# Altium PCB UWB-Tag_Pcb.PcbDoc (continued)
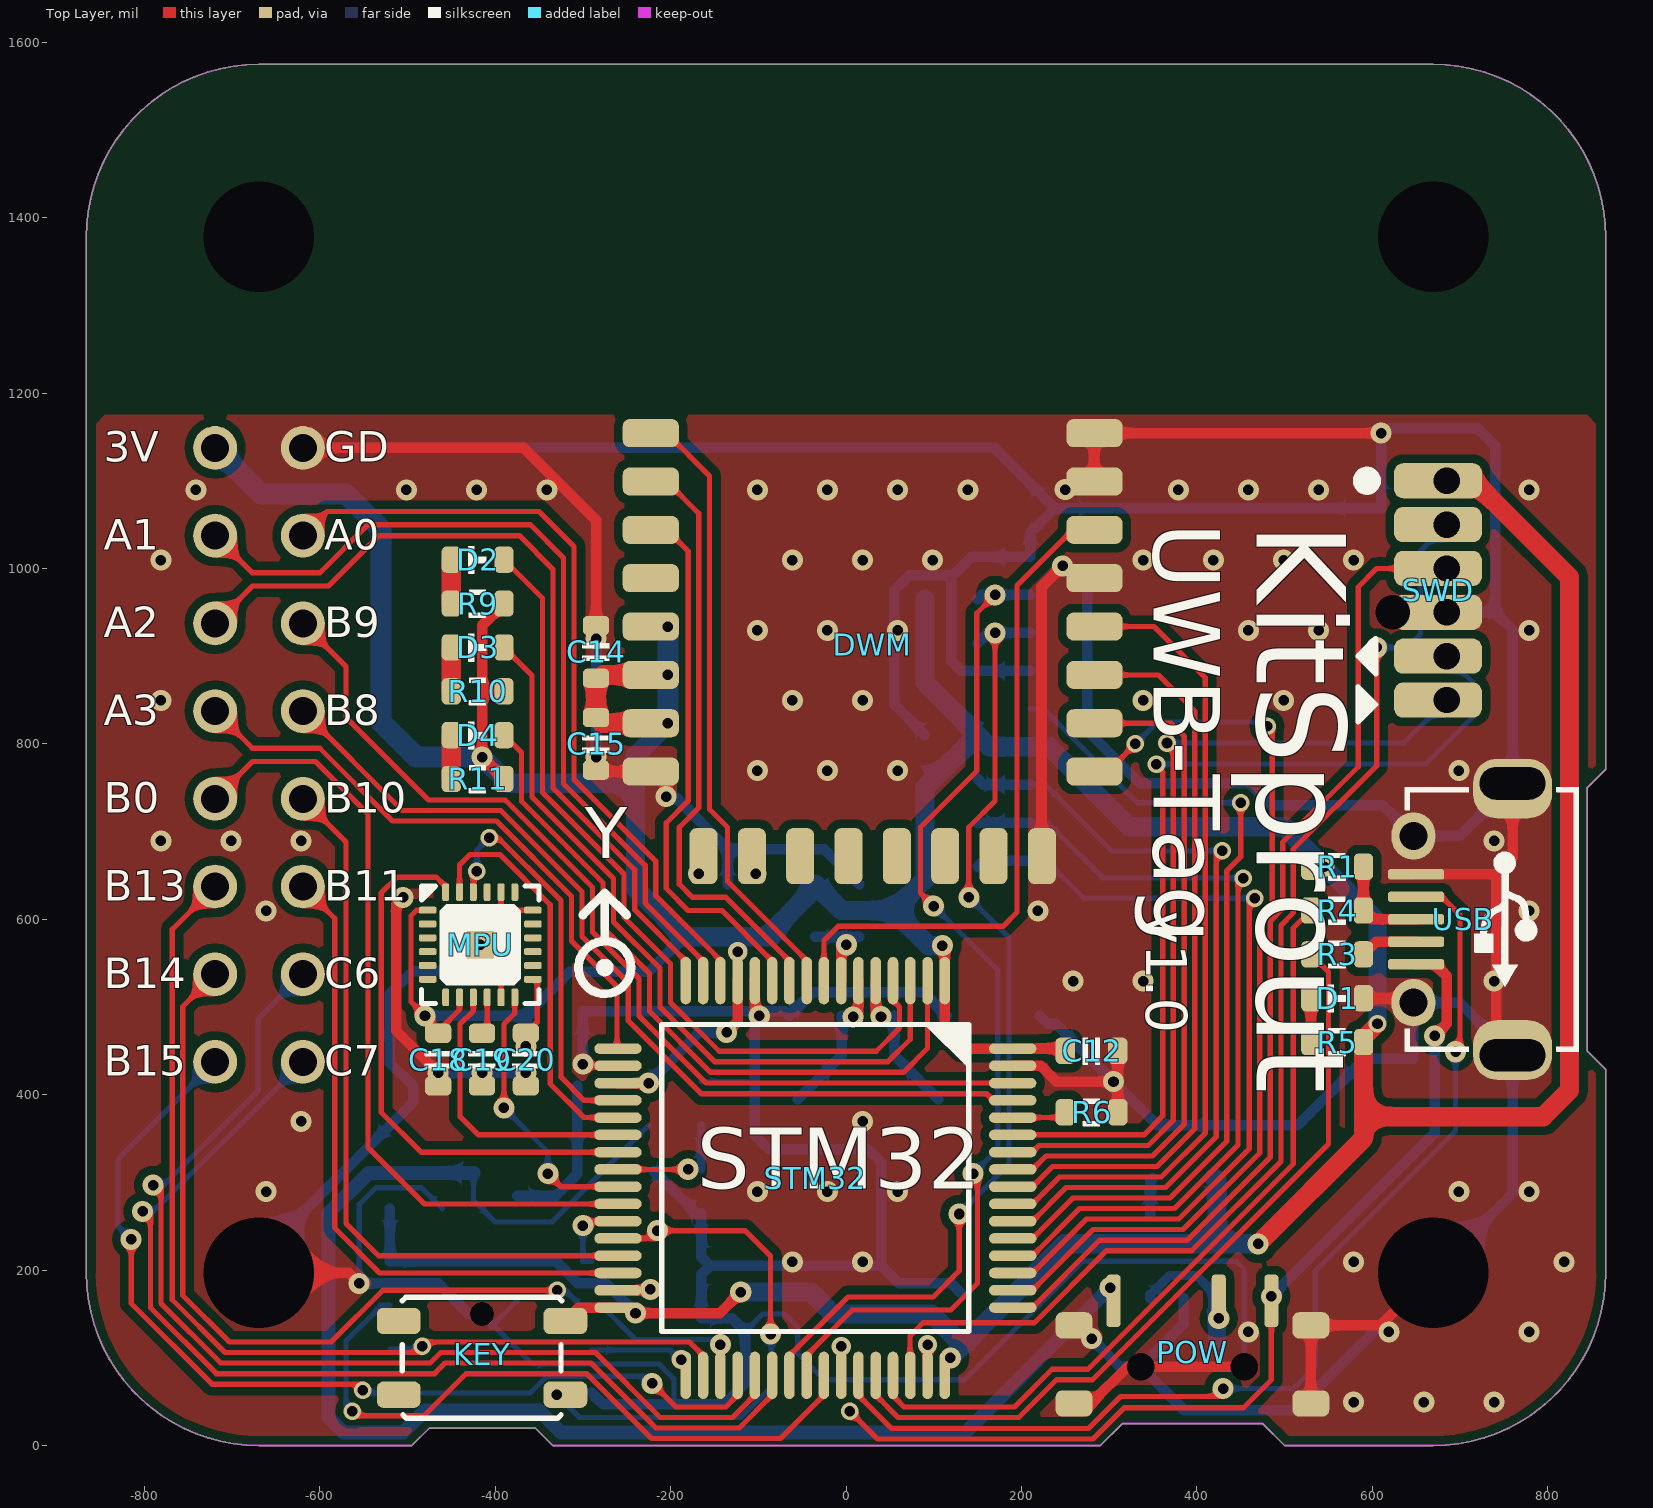
[diagram p0: Top Layer view]
## Footprints (in the part's own frame and the unit in brackets; to place one, negate y for a bottom-side part, rotate by r counter-clockwise, add the part's x,y. Pads: shape width x height; smd on the part's side, far side on the other; paste and mask are expansions set on the pad) (continued)
  oval 12x54 smd: 17(-147.64,-225) 18(-127.95,-225) 19(-108.27,-225) 20(-88.58,-225) 21(-68.9,-225) 22(-49.21,-225) 23(-29.53,-225) 24(-9.84,-225) 25(9.84,-225) 26(29.53,-225) 27(49.21,-225) 28(68.9,-225) 29(88.58,-225) 30(108.27,-225) 31(127.95,-225) 32(147.64,-225) 49(147.64,225) 50(127.95,225) 51(108.27,225) 52(88.58,225) 53(68.9,225) 54(49.21,225) 55(29.53,225) 56(9.84,225) 57(-9.84,225) 58(-29.53,225) 59(-49.21,225) 60(-68.9,225) 61(-88.58,225) 62(-108.27,225) 63(-127.95,225) 64(-147.64,225)
  silkscreen extent -175,-175 175,175, body extent -236,-236 236,236, height 59
MX1.25_S90_2P [mil]
  rrect50% 82x118 smd: 0(-93.58,0) 0(93.58,0)
  rrect50% 28x62 smd: 1(-24.61,114) 2(24.61,114)
  silkscreen extent -94,-95 94,100, body extent -147,-129 147,135, height 98
QFN_P0.4_24 [mil]
  rrect50% 20x8 smd: 1(-60,39.37) 2(-60,23.62) 3(-60,7.87) 4(-60,-7.87) 5(-60,-23.62) 6(-60,-39.37) 13(60,-39.37) 14(60,-23.62) 15(60,-7.87) 16(60,7.87) 17(60,23.62) 18(60,39.37)
  rrect50% 8x20 smd: 7(-39.37,-60) 8(-23.62,-60) 9(-7.87,-60) 10(7.87,-60) 11(23.62,-60) 12(39.37,-60) 19(39.37,60) 20(23.62,60) 21(7.87,60) 22(-7.87,60) 23(-23.62,60) 24(-39.37,60)
  rrect20% 32x32 smd: 25(0,0)
  silkscreen extent -67,-67 67,67, body extent -60,-60 60,60, height 39
RES_0603 [mil]
  rrect50% 22x30 smd: 1(-30,0) 2(30,0)
  silkscreen extent -10,-16 10,16, body extent -31,-16 31,16, height 18
SD_Card_TF [mil]
  rrect50% 48x86 smd: 0(-226,402) 0(400,402)
  rrect50% 62x56 smd: 0(-186,20)
  round 30 hole 39.37 mask+0: 0(283.46,413.39)
  rrect50% 48x56 smd: 0(402,28)
  rrect50% 28x62 smd: 1(0,0) 2(43.31,0) 3(86.61,0) 4(129.92,0) 5(173.23,0) 6(216.54,0) 7(259.84,0) 8(303.15,0) 9(346.46,0)
  silkscreen extent -190,45 360,571, body extent -235,-27 407,572, height 79
SON_P1.27H_8 [mil] "SON, 8-Leads, Body 5.00x6.00mm, Pitch 1.27mm, Thermal Pad 3.40x4.30mm, IPC High Density"
  rrect50% 36x16 smd: 1(-115,75) 2(-115,25) 3(-115,-25) 4(-115,-75) 5(115,-75) 6(115,-25) 7(115,25) 8(115,75)
  rrect30% 120x100 smd paste-84.65: 9(0,0)
  silkscreen extent -125,-105 125,105, body extent -119,-98 119,98, height 30
SOT23-5 [mil]
  rrect50% 30x24 smd: 1(-47,38) 2(-47,0) 3(-47,-38) 4(47,-38) 5(47,38)
  silkscreen extent -21,-53 21,53, body extent -55,-57 55,57, height 57
SwitchSPDT_2.8X6.6_90 [mil]
  rrect50% 42x30 smd: 0(-135,-42) 0(-135,47) 0(135,-42) 0(135,47)
  round 10 hole 31.5: 0(-59.06,0) 0(59.06,0)
  rrect50% 16x60 smd: 1(90,75) 2(30,75) 3(-90,75)
  body extent -152,-111 151,86, height 55
USB_Micro-AB [mil]
  rrect80% 68x90 hole 37 slot 75 at 90 deg copper offset 6,0 mask+0: 0(-155,10)
  oval 54x50 hole 32 mask+0: 0(-95,-103) 0(95,-103)
  rrect80% 68x90 hole 37 slot 75 at 90 deg copper offset -6,0 mask+0: 0(155,10)
  rrect50% 12x64 smd: 1(51.18,-100) 2(25.59,-100) 3(0,-100) 4(-25.59,-100) 5(-51.18,-100)
  silkscreen extent -151,-113 151,86, body extent -161,-109 161,104, height 108
XT_5032_2 [mil]
  rrect50% 70x90 smd: 1(-80,0) 2(80,0)
  silkscreen extent -104,-68 104,68, body extent -98,-63 98,63, height 39

## Part data
BATIN: "MX"
C1 C2 C3 C4 C5 C6 C7 C8 C9 C10 C11 C12 C13 C14 C15 C16 C17 C18 C19 C20: "Capacitor"
D1 D2 D3 D4: "LED"
DWM: "Module"
EXP SWD: "Header"
KEY: "Button"
MPU: "Sensor Motion"
POW: "Switch"
R1 R2 R3 R4 R5 R6 R7 R8 R9 R10 R11 R12 R13 R14 R15 R16 R17 R18 R19 R20: "Resistor"
RT: "Power"
SD: "SD"
STM32: "MCU"
USB: "USB"
W25Q: library part W25Q_8, "FLASH"
XT: "Crystal Oscillator"

## Free pads (board coordinates)
  round 115 hole 126 paste+0 mask+0: 0(-669.29,196.85) 0(669.29,196.85)
  round 115 hole 126 unplated paste+0 mask+0: 0(-669.29,1377.95) 0(669.29,1377.95)
  round 40 hole 30: 2(684.88,850) 2(684.88,900) 2(684.88,950) 2(684.88,1000) 2(684.88,1050) 2(684.88,1100)

## Via types
v1: diameter 24, hole 12, Top Layer to Bottom Layer, tented both sides, 69 vias
v2: diameter 24, hole 12, Top Layer to Bottom Layer, 63 vias
v3: diameter 20, hole 12, Top Layer to Bottom Layer, tented both sides, 16 vias
v4: diameter 22, hole 12, Top Layer to Bottom Layer, tented both sides, 4 vias

## Nets (pads, with @x,y where several pads share a name; then routed paths per layer and width w, separated by ;. In a path a pad name is that pad's centre, name@x,y a point inside that pad or via, vN(x,y) a via of type N, cw(c..) or ccw(c..) an arc to the next point about the centre after c; other vN are vias at no path point)
3V3: C2.2 C9.1 C10.1 C11.1 C12.1 C13.2 C14.1 C15.1 C16.1 C17.1 C18.2 C20.2 DWM.5 DWM.6 DWM.7 EXP.2 KEY.2 MPU.1 MPU.8 MPU.13 pad.2@684.88,1100 R1.1 R5.2 R8.2 R9.1 R10.1 R11.1 R12.2 R13.2 R14.2 R15.2 R16.2 R19.2 R20.2 RT.5 SD.4 STM32.1 STM32.13 STM32.19 STM32.32 STM32.48 STM32.64 SWD.1 W25Q.8 | length 6779.6
  Top Layer w6: MPU.1 -489.63,610.37 -496,604 -496,506 v1(-480,490) -465,475 C18.2@-465,472.48 ; C18.2 C18.2@-465,472.48 ; MPU.8 -440.62,496.85 C18.2@-465,472.48 ; C20.2 -352,483 MPU.13@-352,531.63
  Top Layer w12: R11.1 v1(-415,785) -415,860 ; R10.1 -415,860 ; R9.1 -415,935 -415,860 ; KEY.2 -304.64,157.36 STM32.32 ; STM32.19 v1(-225,413.27) ; v1(-240,151) -144,151 v1(-120,175) ; v1(-136,471) -123.58,483.42 STM32.13 ; v1@112.64,570 112.64,472.36 132.36,452.64 STM32.64 C12.1@247.36,452.64
  Top Layer w20: R5.2 590,464.59 v3@605.7,480.3
  Top Layer w22: DWM.7@-223,823.54 -278.54,823.54 C15.1 -285,870 -276.34,878.66 DWM.6@-223,878.66 ; C12.1@247.36,452.64 C12.1 ; v1(470,230) 590,350 590,375 ; R5.2 590,375 ; SWD.1@684.88,1100 715,1100 825,990 825,405 795,375 590,375
  Bottom Layer w12: C16.1 W25Q.8 -330.63,210 -305.63,185 -274,185 v1(-240,151) ; v1(-480,490) -365,490 ; v1(-365,455) -365,490 ; v1(-225,413.27) -167.27,471 v1(-136,471) ; R20.2 -225,540 -315,540 -365,490
  Bottom Layer w20: v1(545,660) 606,599 v3(606,481)
  Bottom Layer w22: v1(-415,785) -385,755 -240,755 ; v1(-203,823.54) -240,786.54 -240,755 ; v4(-123.58,563) C13.2@-123.58,580 ; v1(-120,175) -40,175 -15,150 97.55,150 130,117.55 C11.1 ; R19.2 R19.2@-91,580 ; R8.2 R8.2@-33,638 ; R16.2 R15.2 90,870 C17.1 ; v1(110,570) 93.99,570 53.99,610 ; v1(119,100) 249,230 423,230 ; C2.2 423,302 RT.5 423,230 ; v1(470,230) 423,230 ; v1(545,660) 499.51,705.49 322.84,705.49 231.63,796.69 SD.4 163.31,796.69 C17.1 ; -240,755 -240,635 R20.2 C13.2 C13.2@-123.58,580 ; C13.2@-123.58,580 R19.2@-91,580 ; R19.2@-91,580 R8.2@-33,638 ; R8.2@-33,638 -5,610 53.99,610 ; 53.99,610 87.99,644 89,644 90,645 R12.2 R13.2 90,750 C17.1
  Bottom Layer w24: EXP.2 -666.89,1085 -570,1085 -530,1045 -530,825 -490,785 v1(-415,785) ; v1(-203,823.54) v1(-203,878.66) v1(-203,933.78)
5V: POW.1 R2.2 USB.1 | length 1100.1
  Top Layer w6: v3(4.53,39) 36.04,7.49 281.49,7.49 317,43 453,43 485,75 POW.1
  Top Layer w12: USB.1 671.18,548.82 685,535 685,481 v1(671,467)
  Bottom Layer w12: v1(485,170) 671,356 v1(671,467)
ADC: R17.2 R18.1 STM32.24 | length 130
  Top Layer w6: STM32.24 v1@-180,314.84
  Bottom Layer w10: R18.1 R17.2
  other v1: -180,315
BOOT: R6.2 STM32.60 | length 62.5
  Top Layer w6: STM32.60 243.9,373.9 R6.2
D_CSD: DWM.17 STM32.50 | length 1064.3
  Top Layer w6: STM32.50 212.53,177.05 281.69,246.21 384.3,246.21 471.86,333.77 471.86,602.86 486,617 v3@486,820 ; DWM.17@283,768.43 DWM.17 DWM.17@298.43,768.43 ; DWM.17@308.43,768.43 DWM.17@298.43,768.43 ; v3(330,800) DWM.17@298.43,768.43
  Bottom Layer w6: v3(330,800) 355,825 v3@475,825
  other v3: 480,820
D_EXT: DWM.1 STM32.9 | length 709
  Top Layer w6: DWM.1@-223,1154.25 DWM.1 -204.25,1154.25 -155.51,1105.51 -155.51,725.51 -135,705 -135,643.43 -44.84,553.27 STM32.9
D_IRQ: DWM.22 STM32.8 | length 766.2
  Top Layer w6: STM32.8 -25.16,575.84 -9,592 179,592 195,608 195,980.7 258.32,1044.02 DWM.22@283,1044.02
D_PHA: DWM.9 R20.1
  other v1: -167.91,652
D_POL: DWM.10 R19.1
  other v1: -102.8,652
D_RST: DWM.3 STM32.11 | length 625.8
  Top Layer w6: DWM.3@-223,1044.02 DWM.3 -204.02,1044.02 -180,1020 -180,735 -205,710 -205,635 -180,610 -141.57,610 -84.21,552.64 STM32.11
D_SCK: DWM.20 STM32.55 | length 923
  Top Layer w6: STM32.55 212.53,275.47 243.27,306.21 359.45,306.21 409.75,356.51 409.75,875.25 351.22,933.78 DWM.20 DWM.20@283,933.78
D_SDI: DWM.18 STM32.57 | length 768
  Top Layer w6: STM32.57 212.53,314.84 227.9,330.21 349.51,330.21 385.75,366.45 385.75,808.25 370.46,823.54 DWM.18 DWM.18@283,823.54
D_SDO: DWM.19 STM32.56 | length 842.9
  Top Layer w6: STM32.56 212.53,295.16 235.58,318.21 354.48,318.21 397.75,361.48 397.75,837.25 356.34,878.66 DWM.19 DWM.19@283,878.66
D_WAK: DWM.2 STM32.10 | length 686.3
  Top Layer w6: DWM.2@-223,1099.13 DWM.2 -204.13,1099.13 -167.98,1062.98 -167.98,727.02 -190,705 -190,640 -175,625 -137,625 -64.53,552.53 STM32.10
F_CSF: STM32.27 W25Q.1 | length 92.9
  Top Layer w6: v1(-300,250.79) -295,255.79 STM32.27
  Bottom Layer w6: v1(-300,250.79) -300,210 W25Q.1
F_HOD: STM32.41 W25Q.7 | length 778.2
  Top Layer w6: v3@-561.83,34 -481,34 -433,82 -295.67,82 -221.67,8 -74.63,8 -25.16,57.47 STM32.41
  Bottom Layer w6: v3@-570,40 -570,119 W25Q.7@-529,160 ; W25Q.7@-531,160 W25Q.7@-529,160 ; W25Q.7 W25Q.7@-529,160
  other v3: -562.83,39
F_SCK: EXP.12 STM32.34 W25Q.6 | length 1212.3
  Top Layer w6: EXP.12 -768.14,588.55 -768.14,166.17 -707.97,106 v3@-482.3,106 ; v3@-483.15,112.85 v3(-483,113) ; v3@-483,118 -178.3,118 -162.95,102.65 STM32.34 STM32.34@-162.95,57.47
  Bottom Layer w6: W25Q.6 -486,110 v3(-483,113)
F_SDI: EXP.16 STM32.36 W25Q.5 | length 1104.1
  Top Layer w6: v1(-815,235) -815,162.12 -722.88,70 v3@-551,70 ; v1(-221,71) -194,44 -137.05,44 -123.58,57.47 STM32.36
  Bottom Layer w6: v1(-815,235) -830,250 -830,326.69 EXP.16 ; v3@-551,60 W25Q.5 -360,60 -341,79 v1@-221,79
  other v3: -551,63
F_SDO: EXP.14 STM32.35 W25Q.2 | length 1068.2
  Top Layer w6: EXP.14 -756.14,500.55 -756.14,171.14 -703,118 -587,118 -528,177 v3(-329,177)
  Bottom Layer w6: v3(-329,177) -320,177 -303,160 W25Q.2 -279,160 -240,121 -153.27,121 v1@-143.27,111
  other v1: -143.27,115
F_WP: STM32.33 W25Q.3 | length 106.6
  Bottom Layer w6: W25Q.3@-290,109 -200.64,109 -189.64,98 v4(-188,98)
GND: BATIN.0 BATIN.2 C1.1 C2.1 C3.1 C4.2 C5.2 C6.2 C7.2 C8.1 C9.2 C10.2 C11.2 C12.2 C13.1 C14.2 C15.2 C16.2 C17.2 C18.1 C19.1 C20.1 D1.2 DWM.8 DWM.16 DWM.21 DWM.23 DWM.24 EXP.1 KEY.0 MPU.11 MPU.18 MPU.20 MPU.25 pad.0@669.29,196.85 pad.0@-669.29,196.85 pad.2@684.88,950 POW.0 R6.1 R7.1 R18.2 RT.2 SD.0 SD.6 SD.9 STM32.12 STM32.18 STM32.63 SWD.4 USB.0 USB.5 W25Q.4 W25Q.9 | length 12679.2
  Top Layer w6: MPU.11 -393.38,547.38 v1(-417,571) -393.38,594.62 v1@-393.38,610.37 ; MPU.20 v1@-393.38,610.37 ; MPU.18 v1@-393.38,610.37 ; v1@-300,430 -297.05,432.95 STM32.18
  Top Layer w12: pad.0@-669.29,196.85 -566.85,196.85 v1(-555,185) ; EXP.1 -367.4,1137.4 -285,1055 C14.2 ; v1(-505,625) -513,617 -513,473 v1(-465,425) ; C15.2@-285,768.43 -223,768.43 DWM.8@-230,761.43 ; v1(-205,740) DWM.8@-205,761.43 ; v1@-103.9,495 STM32.12 ; STM32.63 222.05,432.95 240,415 v1(305,415) v1@310,415 ; DWM.16@222.91,672 222.91,978.91 v1(247,1003) ; POW.0@260,48 279.21,48 321.21,90 335.94,90 POW.0@454.06,90 ; DWM.23@283,1099.13 283,1154.25 DWM.24 v1(610,1154.25) ; R6.1 v1@310,415 ; C12.2 v1@310,415 ; POW.0@530,48 530,137 609.44,137 pad.0@669.29,196.85 ; D1.2 642,510 USB.0@647,505 ; USB.5 741.18,651.18 ; SWD.4 684.88,950 SWD.4@706.11,950 ; USB.0@760,445 741.18,463.82 741.18,651.18 ; USB.0@760,755 760,670 741.18,651.18
  Bottom Layer w6: v1(-555,185) -555,275 -536,294 -484,294 C16.2 ; KEY.0 W25Q.9@-402.5,137.5 ; W25Q.9 W25Q.9@-402.5,137.5 ; W25Q.9@-375.39,164.61 W25Q.9@-402.5,137.5 ; -195,47 -196,48 -196,75.7 -213.3,93 -357.99,93 W25Q.9@-402.5,137.5 ; C9.2 -103.9,415 ; -115,130 -95,150 -70,150 -55,135 -55,105 -25,75 135,75 270,210 445,210 454.06,200.94 POW.0@454.06,90
  Bottom Layer w12: pad.0@-669.29,196.85 -669.29,215.71 -493.58,391.42 -493.58,410 -520,436.42 -520,515 -494,541 v1(-447,541) ; EXP.1 169.37,1137.4 SD.0@238,1068.77 ; v1(-555,185) -465,185 -430,150 KEY.0 ; v1(-465,425) v1(-415,425) v1(-365,425) ; v1(-417,571) v1(-447,571) ; BATIN.2@-375,285 -331.06,285 -306.42,309.63 BATIN.0@-306.42,410 ; BATIN.0@-300,430 v1(-300,435) -300,495 v1@-103.9,495 ; W25Q.4 -277,47 -195,47 -139,47 -115,71 -115,130 -130,145 C10.2 -165,195 C4.2 ; v1(-285,785) v1(-285,920) ; R18.2@-219,313 R7.1@-169,263 ; v1(-205,740) -195,740 -135,680 ; R7.1 -165,215 C4.2 ; C13.1 -135,680 ; C8.1 -25,680 -135,680 ; C17.2 55,845 55,975 72,992 118,992 120,990 ; C6.2 88,517 -38,517 C7.2 -70,495 v1@-103.9,495 ; C11.2 120,185 60,185 40,205 ; SD.6 131.69,883.31 120,895 120,990 ; SD.0@220.77,490 230,480.77 239.23,480.77 v1(305,415) 355,365 C2.1 515,365 590.77,440.77 612,440.77 647,440.77 647,505 700,505 760,445 760,287.56 669.29,196.85 512.44,40 385.94,40 POW.0@335.94,90 ; v1(247,1003) 275,975 275,815 335,755 460,755 485,730 612,730 647,695 700,695 760,755 760,930 740,950 ; v1(280,122) 312,90 POW.0@335.94,90 ; RT.2 385,139.06 POW.0@335.94,90 ; pad.2@684.88,950 740,950 ; v1(-447,541) v1(-447,571) ; v1(-447,541) v1(-417,541) v1(-387,541) v1(-387,571) v1(-387,601) v1(-417,601) v1(-447,601) v1(-447,571) ; C4.2 40,205 ; v1@-103.9,495 -103.9,415 -103.9,353.9 -88,338 25,338 40,323 40,205 ; 120,990 143.23,1013.23 SD.9 210,1040.77 SD.0@238,1068.77 ; SD.0@238,1068.77 610,1068.77 610,1150 620,1160 720,1160 740,1140 740,950
  other v1: -98.9,490 250,1090
  other v2: 578.86,49.49 658.86,49.49 738.86,49.49 458.86,129.49 618.86,129.49 778.86,129.49 -61.14,209.49 18.86,209.49 578.86,209.49 818.86,209.49 -661.14,289.49 -101.14,289.49 -21.14,289.49 58.86,289.49 698.86,289.49 778.86,289.49 -621.14,369.49 18.86,369.49 258.86,529.49 338.86,529.49 738.86,529.49 -661.14,609.49 218.86,609.49 778.86,609.49 -781.14,689.49 -701.14,689.49 -621.14,689.49 738.86,689.49 -101.14,769.49 -21.14,769.49 58.86,769.49 698.86,769.49 -781.14,849.49 -61.14,849.49 18.86,849.49 338.86,849.49 498.86,849.49 -101.14,929.49 -21.14,929.49 58.86,929.49 458.86,929.49 538.86,929.49 778.86,929.49 -781.14,1009.49 -61.14,1009.49 18.86,1009.49 98.86,1009.49 338.86,1009.49 418.86,1009.49 498.86,1009.49 578.86,1009.49 -741.14,1089.49 -501.14,1089.49 -421.14,1089.49 -341.14,1089.49 -101.14,1089.49 -21.14,1089.49 58.86,1089.49 138.86,1089.49 378.86,1089.49 458.86,1089.49 538.86,1089.49 778.86,1089.49
KEY: KEY.1 R7.2 STM32.28 | length 596.3
  Top Layer w6: STM32.28 v1@-215,236.1 ; v1(-215,245) -115,245 -86,216 v1@-86,136
  Bottom Layer w6: v1(-330,58) -304,32 -120,32 -85,67 v1@-85,127
  other v1: -86,127
LED_B: D4.2 STM32.2 | length 817.9
  Top Layer w6: D4.2 -370,790 -370,734.64 -277,641.64 -277,591 -224.14,538.14 -224.14,495.2 -154.43,425.49 65.49,425.49 92.95,452.95 STM32.2
LED_G: D3.2 STM32.3 | length 872.3
  Top Layer w6: D3.2 -358,878 -358,739.61 -265,646.61 -265,597 -212.14,544.14 -212.14,500.17 -149.46,437.49 47.49,437.49 73.27,463.27 STM32.3
LED_R: D2.2 STM32.4 | length 935.7
  Top Layer w6: D2.2 -346,966 -346,744.58 -253,651.58 -253,602.35 -200,549.35 -200,505 -144.49,449.49 34.49,449.49 61,476 61,500.05 53.58,507.47 STM32.4
M_CSM: MPU.22 STM32.20 | length 456.8
  Top Layer w6: MPU.22 -424.87,651 v3(-420.87,655) ; v3@-402.83,699.17 -325,621.35 -325,420 -298.58,393.58 STM32.20
  Bottom Layer w6: v3(-420.87,655) -420.87,679.13 v3(-407,693)
M_INT: MPU.12 STM32.25 | length 313
  Top Layer w6: v1(-390,385) -390,480.51 -377.63,492.88 MPU.12 ; v1(-340,310) -325.16,295.16 STM32.25
  Bottom Layer w6: v1(-390,385) -340,335 v1(-340,310)
M_SCK: MPU.23 STM32.21 | length 460.7
  Top Layer w6: MPU.23 -440.62,662.12 -428.74,674 -394.62,674 -337.14,616.52 -337.14,412.14 -298.9,373.9 STM32.21
M_SDI: MPU.24 STM32.23 | length 624.8
  Top Layer w6: MPU.24@-456,637 -467,648 -512,648 -530,630 -530,380 -484.53,334.53 STM32.23
M_SDO: MPU.9 STM32.22 | length 330.9
  Top Layer w6: MPU.9 -424.87,495.63 -440,480.51 -440,375 -419.21,354.21 STM32.22
NetC3_2: C3.2 RT.4 | length 44.2
  Bottom Layer w12: RT.4 347,302 C3.2
NetC4_1: C4.1 STM32.31 | length 37.4
  Top Layer w12: STM32.31 -224,177.05 v1(-223,178.05)
NetC5_1: C5.1 STM32.47 | length 35
  Top Layer w12: STM32.47 v4(92.95,115)
NetD1_1: D1.1 R5.1 | length 50
  Top Layer w12: R5.1 D1.1
NetD2_1: D2.1 R9.2 | length 50
  Top Layer w22: R9.2 D2.1
NetD3_1: D3.1 R10.2 | length 50
  Top Layer w22: R10.2 D3.1
NetD4_1: D4.1 R11.2 | length 50
  Top Layer w22: R11.2 D4.1
NetR1_2: R1.2 R4.2 USB.3 | length 114.1
  Top Layer w12: R1.2 R4.2 600,600 USB.3
NetR3_2: R3.2 USB.2 | length 66
  Top Layer w12: R3.2 604.41,574.41 USB.2
OSC1: C6.1 STM32.5 XT.2 | length 155.7
  Top Layer w12: v1@33.9,490 STM32.5
  Bottom Layer w12: C6.1 55,445 XT.2
  other v1: 39.9,489
OSC2: C7.1 STM32.6 XT.1 | length 156.7
  Top Layer w12: v1@14.21,489 STM32.6
  Bottom Layer w12: XT.1 -5,445 C7.1
  other v1: 8.21,488.79
PA0: EXP.3 STM32.14 | length 901.4
  Top Layer w6: EXP.3 -591.69,1065 -350,1065 -310,1025 -310,759.49 -217,666.49 -217,627 -143.27,553.27 STM32.14
PA1: EXP.4 STM32.15 | length 1001.3
  Top Layer w6: EXP.4 -676.89,995 -600,995 -545,1050 -360,1050 -322,1012 -322,754.52 -229,661.52 -229,618.58 -162.95,552.53 STM32.15
PA2: EXP.6 STM32.16 | length 974.3
  Top Layer w6: EXP.6 -676.69,980 -590,980 -532.6,1037.4 -372.4,1037.4 -334,999 -334,749.55 -241,656.55 -241,611 -182.64,552.64 STM32.16
PA3: EXP.8 STM32.17 | length 688.4
  Top Layer w6: EXP.8 -676.89,795 -600,795 -517,712 -398.65,712 -313,626.35 -313,575.35 -261.14,523.49 STM32.17@-261.14,453.14
PB0: EXP.10 STM32.26 | length 908.5
  Top Layer w6: EXP.10 -676.69,780 -605,780 -545,720 -545,340 -480.47,275.47 STM32.26
PB8: EXP.7 STM32.61 | length 1048.1
  Top Layer w6: EXP.7 -505.89,724 -393.65,724 -301,631.35 -301,580.35 -248.39,527.74 -248.39,484.82 -164.57,401 160.35,401 167.76,393.58 STM32.61
PB9: EXP.5 STM32.62 | length 1115.3
  Top Layer w6: EXP.5 -570,888.11 -570,830 -476,736 -388.5,736 -289,636.5 -289,585.35 -236.14,532.49 -236.14,489.92 -159.49,413.27 STM32.62
PB10: EXP.9 STM32.29 | length 829.8
  Top Layer w6: EXP.9 -570,688.11 -570,253.35 -533.07,216.42 STM32.29
PB11: EXP.11 STM32.30 | length 748.7
  Top Layer w6: EXP.11 -582.97,601.08 -582.97,247.97 -531.73,196.73 STM32.30
PC6: EXP.13 STM32.37 | length 1223
  Top Layer w6: v1@-781,295 -781,162.06 -712.94,94 -474,94 -462,106 -285.72,106 -211.72,32 -129.37,32 -103.9,57.47 STM32.37
  Bottom Layer w6: v1@-785,290 -670,405 -670,486.69 EXP.13
  other v1: -790,297
PC7: EXP.15 STM32.38 | length 1171.2
  Top Layer w6: v1@-793,265 -793,157.09 -717.91,82 -469.03,82 -457.03,94 -290.69,94 -216.69,20 -121.68,20 -84.21,57.47 STM32.38
  Bottom Layer w6: v1@-795.85,260.85 EXP.15
  other v1: -802,267
REG: C19.2 MPU.10 | length 43.4
  Top Layer w6: C19.2 -409.13,475.87 MPU.10
RST: C8.2 R8.1 STM32.7 | length 91
  Top Layer w12: STM32.7 v1@-5.47,571
  Bottom Layer w12: R8.1 C8.2
  other v1: 0.53,571
SD_CLK: SD.5 STM32.53 | length 967
  Top Layer w6: STM32.53 212.53,236.1 258.64,282.21 369.39,282.21 434,346.82 434,655.17 450,671.17 v3(450,733)
  Bottom Layer w6: SD.5 225,840 332,733 v3(450,733)
SD_CMD: R14.1 SD.3 STM32.54 | length 911.9
  Top Layer w6: STM32.54 212.53,255.79 250.95,294.21 364.42,294.21 422,351.79 v3@422,679
  Bottom Layer w6: SD.3 227.61,753.39 303,678 v3(429,678)
  Bottom Layer w12: R14.1 156.61,753.39 SD.3
SD_D0: R15.1 SD.7 STM32.39 | length 1098.4
  Top Layer w6: STM32.39 -64.53,102.53 2.43,169.49 99.49,169.49 129,199 129,260 v1(129,264) ; v1@140,630 140,705 170,735 v1(170,926.61)
  Bottom Layer w6: v1(129,264) 185.86,320.86 185.86,579.14 v1(140,625)
  Bottom Layer w12: R15.1 161.61,926.61 v1(170,926.61) SD.7
SD_D1: R16.1 SD.8 STM32.40 | length 1192.4
  Top Layer w6: STM32.40 -44.84,102.53 7.12,154.49 119.49,154.49 150,185 v1@150,310 ; v1@97.5,622.5 v1@100,620 ; v1(100,615) 85,630 85,705 149,769 149,948.92 v1(170,969.92)
  Bottom Layer w6: v1@95,620 v1(100,615) 173,542 173,338 v1(145,310)
  Bottom Layer w12: R16.1 154.92,969.92 v1(170,969.92) SD.8
SD_D2: R12.1 SD.1 STM32.51 | length 950.5
  Top Layer w6: STM32.51 212.53,196.73 274.01,258.21 379.33,258.21 459.86,338.74 v3@459.86,624
  Bottom Layer w6: SD.1 228.23,666.77 271,624 v3(466,624)
  Bottom Layer w12: R12.1 156.77,666.77 SD.1
SD_D3: R13.1 SD.2 STM32.52 | length 943.7
  Top Layer w6: STM32.52 212.53,216.42 266.32,270.21 374.36,270.21 447,342.85 v3@447,648
  Bottom Layer w6: SD.2 229.92,710.08 250,690 283.23,656.77 293,647 v3(453,647)
  Bottom Layer w12: R13.1 150.08,710.08 SD.2
SWCLK: pad.2@684.88,1000 STM32.49 SWD.3 | length 1126.2
  Top Layer w6: STM32.49 212.53,157.36 289.38,234.21 389.27,234.21 483.86,328.8 483.86,597.89 498,612.03 498,688 584,774 584,979 605,1000 SWD.3@645,1000
SWDIO: pad.2@684.88,1050 STM32.46 SWD.2 | length 1398.8
  Top Layer w6: STM32.46@71,80 STM32.46@73.27,82.27 ; STM32.46 STM32.46@73.27,82.27 ; STM32.46@73.27,102.53 STM32.46@73.27,82.27 ; v1(605,910) 605,775 510,680 510,607.06 495.86,592.92 495.86,323.83 394.24,222.21 297.21,222.21 215,140 88,140 72.95,124.95 72.95,82.58 STM32.46@73.27,82.27
  Bottom Layer w6: v1(605,910) 640,910 655,925 655,1020.12 pad.2@684.88,1050
U_RX: pad.2@684.88,900 STM32.59 SWD.5 | length 1052
  Top Layer w6: STM32.59 339.57,354.21 361,375.65 361,768 352,777 v3@352,780
  Bottom Layer w6: v3(354,777) 661,777 714,830 714,870.88 pad.2@684.88,900
U_TX: pad.2@684.88,850 STM32.58 SWD.6 | length 967.9
  Top Layer w6: STM32.58 190.53,334 212,334 220.21,342.21 344.54,342.21 373,370.68 v3@373,801
  Bottom Layer w6: v3(366,801) 635.88,801 pad.2@684.88,850
USB_DM: R3.1 STM32.44 | length 902.7
  Top Layer w6: STM32.44 33.9,57.45 59.35,32 197,32 240,75 281,75 550,344 550,540 R3.1
USB_DP: R4.1 STM32.45 | length 897
  Top Layer w6: STM32.45 53.58,56.67 66.25,44 192.03,44 235.03,87 276,87 510,321 510,590 R4.1
USB_ID: STM32.43 USB.4 | length 1224.5
  Top Layer w6: STM32.43 14.21,57.13 51.86,19.49 276.52,19.49 313.03,56 v1@430,56 ; USB.4 679.41,625.59 700,605 v1@700,449
  Bottom Layer w6: v1(430,65) 510,65 535,90 535,198.79 695,358.79 v1(695,449)
USB_VB: R2.1 STM32.42
  other v4: -5.47,113
VBAT: BATIN.1 POW.3 R17.1 | length 1691.5
  Bottom Layer w6: BATIN.1@-424.61,311 BATIN.1 -424.61,279.61 -400,255 -335,255 R17.1
  Bottom Layer w16: BATIN.1@-424.61,311 -544,311 -590,265 -590,32 -573,15 -505,15 -480,40 -350,40 -325,15 136.23,15 v1(301.23,180)
VIN: C1.2 POW.2 RT.1 RT.3 | length 147.3
  Bottom Layer w10: RT.3@347,172 369,194 399.46,194 RT.1@423,170.46
  Bottom Layer w12: RT.3 RT.3@347,172 ; RT.1 RT.1@423,170.46
  Bottom Layer w21: C1.2 RT.1
  other v1: 425,145
pads on no net: DWM.4 DWM.11 DWM.12 DWM.13 DWM.14 DWM.15 KEY.3 KEY.4 MPU.2 MPU.3 MPU.4 MPU.5 MPU.6 MPU.7 MPU.14 MPU.15 MPU.16 MPU.17 MPU.19 MPU.21

## Polygon pours and split planes (outlines as drawn)
no net on Keep-Out Layer "NONET_L01_P-001" (none, remove dead copper): -669.29,0 -495,0 -475,20 -354.45,20 -334.45,0 290,0 315,25 475,25 500,0 669.29,0 ccw(c669.29,196.85) 866.14,196.85 866.14,428.86 845,450 845,750 866.14,771.14 866.14,1377.95 ccw(c669.29,1377.95) 669.29,1574.8 -669.29,1574.8 ccw(c-669.29,1377.95) -866.14,1377.95 -866.14,196.85 ccw(c-669.29,196.85)
GND on Top Layer "GND_L01_P002" (solid, remove dead copper, pour order 2): -669.29,0 -495,0 -475,20 -354.45,20 -334.45,0 290,0 315,25 475,25 500,0 669.29,0 ccw(c669.29,196.85) 866.14,196.85 866.14,428.86 845,450 845,750 866.14,771.14 866.14,1377.95 ccw(c669.29,1377.95) 669.29,1574.8 -669.29,1574.8 ccw(c-669.29,1377.95) -866.14,1377.95 -866.14,196.85 ccw(c-669.29,196.85)
GND on Bottom Layer "GND_L02_P003" (solid, remove dead copper, pour order 3): -669.29,0 -495,0 -475,20 -354.45,20 -334.45,0 290,0 315,25 475,25 500,0 669.29,0 ccw(c669.29,196.85) 866.14,196.85 866.14,428.86 845,450 845,750 866.14,771.14 866.14,1377.95 ccw(c669.29,1377.95) 669.29,1574.8 -669.29,1574.8 ccw(c-669.29,1377.95) -866.14,1377.95 -866.14,196.85 ccw(c-669.29,196.85)

## Other copper
Multi-Layer:
  pour cut-out: -866.14,1153.86 -866.14,1377.95 cw(c-669.29,1377.95) -669.29,1574.8 669.29,1574.8 cw(c669.29,1377.96) 866.14,1377.95 866.14,1153.86 845,1175 -845,1175

## Silkscreen, mask and mechanical layers (free items; w line width, h text height)
Top Overlay:
  circle w16: c593.86,1100 r8
  circle w10: c-275,545 r30
  circle w10: c-275,545 r5
  region: 603.86,845 583.86,825 583.86,865
  region: 583.86,900 603.86,920 603.86,880
  lines w6: 583.86,825 603.86,845 583.86,865 583.86,825 ; 583.86,900 603.86,920 603.86,880 583.86,900
  lines w10: -300,605 -275,630 ; -275,575 -275,630 ; -250,605 -275,630
  text "3V" at -846.14,1110 h60
  text "GD" at -595,1110 h60
  text "UWB-Tag" at 325.86,1052 h130 r270
  text "KitSprout" at 434.86,1052 h175 r270
  text "A1" at -846.14,1010 h60
  text "A0" at -595,1010 h60
  text "A2" at -846.14,910 h60
  text "B9" at -595,910 h60
  text "A3" at -846.14,810 h60
  text "B8" at -595,810 h60
  text "B0" at -846.14,710 h60
  text "B10" at -595,710 h60
  text "Y" at -298,650 h100
  text "B13" at -846.14,610 h60
  text "B11" at -595,610 h60
  text "v1.0" at 327,609 h80 r270
  text "B14" at -846.14,510 h60
  text "C6" at -595,510 h60
  text "B15" at -846.14,410 h60
  text "C7" at -595,410 h60
  text "STM32" at -170,270 h120
Bottom Overlay:
  drawing of 3459 lines, arcs and shapes, not listed
  text "+" at -580,270 h100
Mechanical 1:
  the board outline again, w2
T-Component:
  circle w2: c-669.29,1377.95 r130.98
  circle w2: c-669.29,1377.95 r196.85
  circle w2: c669.29,1377.95 r196.85
  circle w2: c669.29,1377.95 r130.98
  circle w2: c-669.29,196.85 r130.98
  circle w2: c-669.29,196.85 r196.85
  circle w2: c669.29,196.85 r196.85
  circle w2: c669.29,196.85 r130.98